# Altium PCB board _ordered.PcbDoc (part 2 of 2) (continued)
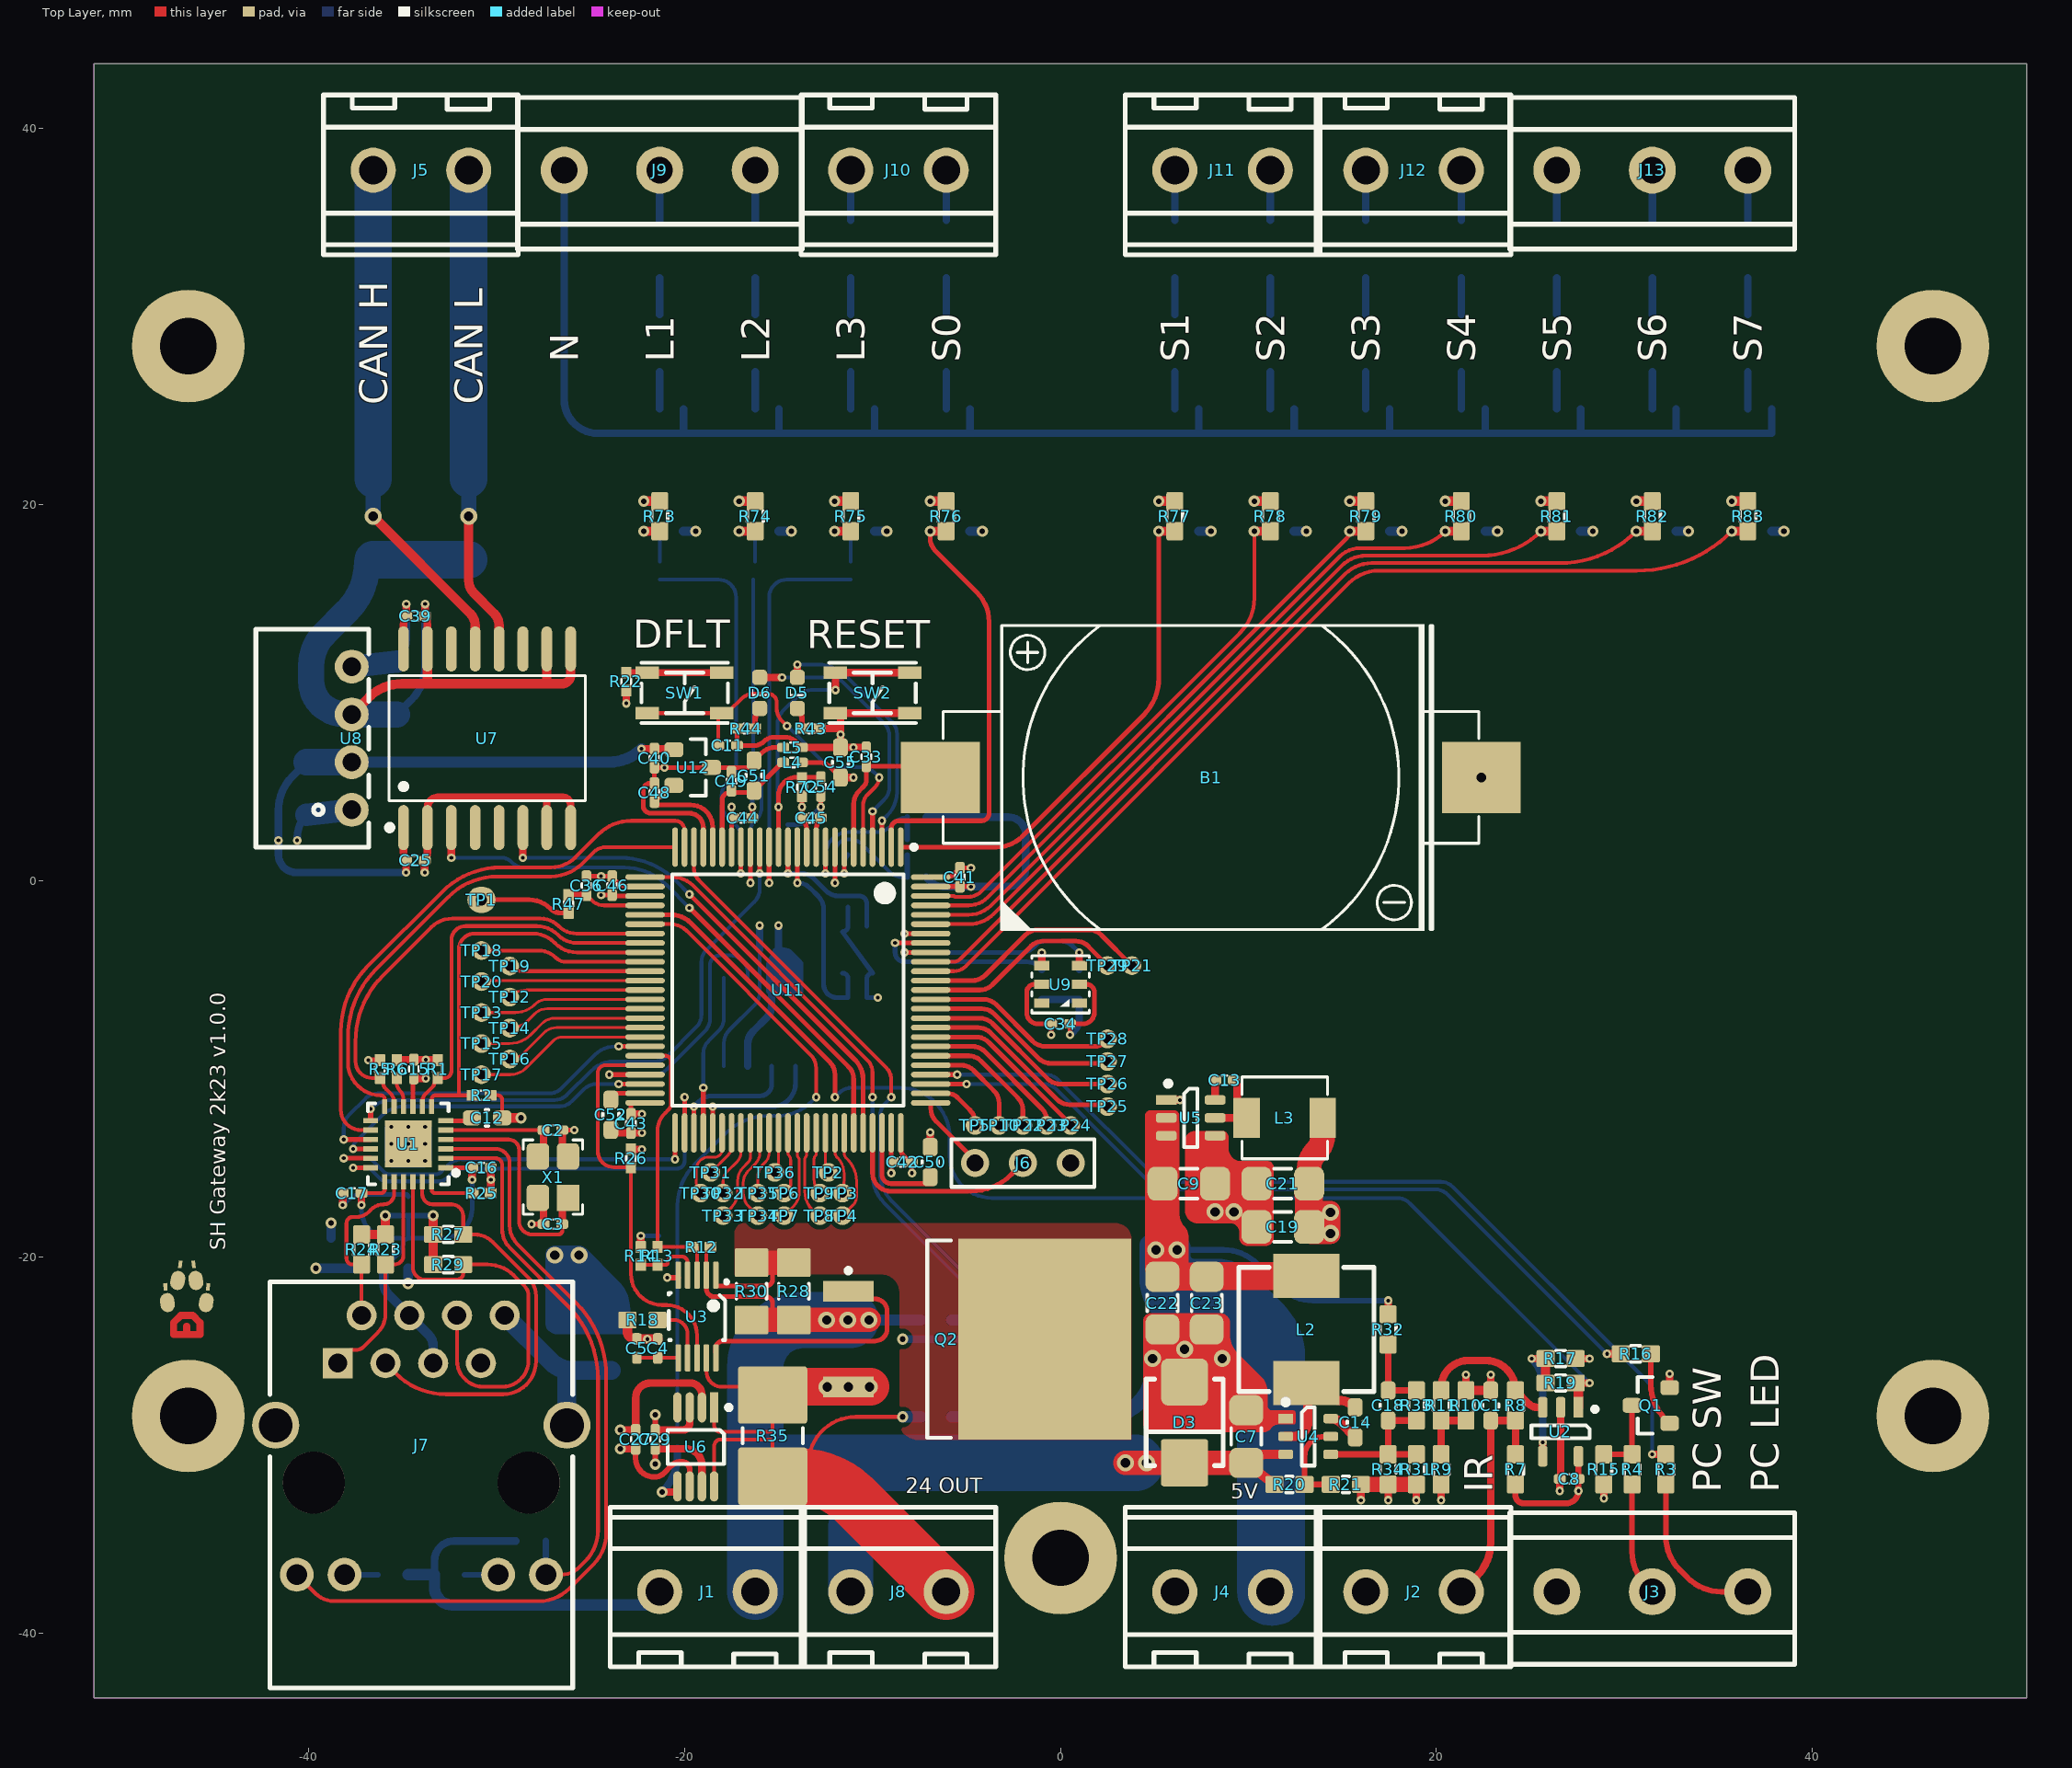
[diagram p0: Top Layer view]
## Nets (pads, with @x,y where several pads share a name; then routed paths per layer and width w, separated by ;. In a path a pad name is that pad's centre, name@x,y a point inside that pad or via, vN(x,y) a via of type N, cw(c..) or ccw(c..) an arc to the next point about the centre after c; other vN are vias at no path point) (continued)
  Top Layer w0.3: R16.2@31.4,-25.15 31.4,-26.791 ccw(c33.94,-26.791) Q1.1@32.144,-28.587
NetQ1_3: Q1.3 R4.1 R15.2 | length 4.1
  Top Layer w0.3: R15.2@28.9,-30.493 R4.1@30.4,-30.493 Q1.3@30.4,-27.893
NetQ2_1: Q2.1 U3.10 | length 13.8
  Top Layer w0.25: U3.10@-18.336,-25.364 -18.346,-24.868 cw(c-17.96,-24.853) -17.96,-24.466 -9.865,-24.466 ccw(c-9.865,-23.827) -9.226,-23.827 -9.226,-22.869 ccw(c-9.865,-22.869) -9.865,-22.23 -10.881,-22.23 cw(c-10.881,-21.824) Q2.1@-11.287,-21.824
NetQ2_2: Q2.2 R28.1 R30.1 U3.1 | length 6.9
  Top Layer w0.25: U3.1@-18.336,-20.964 -18.336,-21.539 -15.666,-21.539 ccw(c-15.666,-21.184) -15.312,-21.184 -15.312,-20.3
  Top Layer w1.3: R30.1@-16.437,-20.3 -15.312,-20.3 R28.1@-14.187,-20.3
NetR6_2: R6.2 U1.10 | length 1.6
  Top Layer w0.2: R6.2@-35.3,-10.476 -35.3,-10.745 ccw(c-34.702,-10.745) -35.125,-11.168 ; -35.125,-11.168 cw(c-35.547,-11.59) -34.95,-11.59 U1.10@-34.95,-12
NetR8_2: R8.2 R11.2 U2.3 | length 7.6
  Top Layer w0.4: R11.2@20.246,-27.093 20.246,-26.954 cw(c21.7,-26.954) 21.7,-25.5 22.607,-25.5 cw(c22.607,-27.093) R8.2@24.2,-27.093 24.927,-27.82 ccw(c25.345,-27.402) 25.345,-27.993 U2.3@25.65,-27.993
NetR9_2: R9.2 R10.1 R11.1 | length 3.1
  Top Layer w0.4: R9.2@20.246,-30.493 R11.1@20.246,-28.693 R10.1@21.564,-28.693
NetR13_2: R13.2 R14.2 U3.4 | length 3.6
  Top Layer w0.2: R14.2@-22.326,-20.416 R13.2@-21.437,-20.416 -21.016,-20.416 ccw(c-21.016,-20.3) -20.9,-20.3 cw(c-20.579,-20.3) -20.746,-20.026 cw(c-20.579,-20.3) -20.579,-19.979 -20.145,-19.979 cw(c-20.145,-20.288) -19.836,-20.288 U3.4@-19.836,-20.964
NetR17_1: R17.1 R19.1 U2.4 | length 7.4
  Top Layer w0.4: v1(25.065,-25.4) R17.1@25.8,-25.4 ; U2.4@25.65,-30.593 v1(25.65,-29.858)
  Top Layer w0.5: R19.1@25.8,-26.7 R17.1@25.8,-25.4
  Bottom Layer w0.4: v1(25.065,-25.4) cw(c23.652,-26.813) 25.65,-26.813 v1(25.65,-29.858)
NetR18_1: R18.1 U3.7 | length 3.3
  Top Layer w0.2: R18.1@-21.437,-23.348 -20.579,-23.348 cw(c-20.579,-24.091) -19.836,-24.091 U3.7@-19.836,-25.364
NetR20_2: R20.2 R21.1 U4.5 | length 4.9
  Top Layer w0.3: R21.1@14.377,-32.094 R20.2@12.977,-32.094 12.977,-30.61 cw(c14.044,-30.61) 14.044,-29.543 U4.5@14.377,-29.543
NetR22_2: R22.2 SW1.1 SW1.2 | length 5.1
  Top Layer w0.25: SW1.2@-18.025,11.075 SW1.2@-18.025,11.075
  Top Layer w0.35: R22.2@-23.1,11.076 SW1.2@-18.025,11.075
NetR25_2: R25.2 U1.24 | length 2.7
  Top Layer w0.2: U1.24@-33.45,-16 -33.45,-16.415 ccw(c-33.265,-16.415) -33.265,-16.6 R25.2@-31.276,-16.6
NetR46_1: R46.1 U6.5 | length 3.4
  Top Layer w0.4: v2(-21.189,-32.5) U6.5@-20.375,-32.5
  Bottom Layer w0.4: v2(-21.189,-32.5) ccw(c-23.153,-30.536) -20.375,-30.536 R46.1@-20.375,-30.176
NetR47_1: R47.1 TP1.1 | length 4.8
  Top Layer w0.25: TP1.1@-30.8,-1.002 -28.271,-1.002 cw(c-28.271,-2.628) -27.122,-1.478 -27.1,-1.5 ccw(c-26.612,-1.012) -26.612,-1.702 R47.1@-26.167,-1.702
NetR48_2: R48.2 R60.1 | length 2
  Bottom Layer w0.4: R60.1@-21.32,30.124 R48.2@-21.32,32.076
NetR49_2: R49.2 R61.1 | length 2
  Bottom Layer w0.4: R61.1@-16.24,30.124 R49.2@-16.24,32.076
NetR50_2: R50.2 R62.1 | length 2
  Bottom Layer w0.4: R62.1@-11.16,30.124 R50.2@-11.16,32.076
NetR51_2: R51.2 R63.1 | length 2
  Bottom Layer w0.4: R63.1@-6.08,30.124 R51.2@-6.08,32.076
NetR52_2: R52.2 R64.1 | length 2
  Bottom Layer w0.4: R64.1@6.08,30.124 R52.2@6.08,32.076
NetR53_2: R53.2 R65.1 | length 2
  Bottom Layer w0.4: R65.1@11.16,30.124 R53.2@11.16,32.076
NetR54_2: R54.2 R66.1 | length 2
  Bottom Layer w0.4: R66.1@16.24,30.124 R54.2@16.24,32.076
NetR55_2: R55.2 R67.1 | length 2
  Bottom Layer w0.4: R67.1@21.32,30.124 R55.2@21.32,32.076
NetR56_2: R56.2 R68.1 | length 2
  Bottom Layer w0.4: R68.1@26.4,30.124 R56.2@26.4,32.076
NetR57_2: R57.2 R69.1 | length 2
  Bottom Layer w0.4: R69.1@31.48,30.124 R57.2@31.48,32.076
NetR58_2: R58.2 R70.1 | length 2
  Bottom Layer w0.4: R70.1@36.56,30.124 R58.2@36.56,32.076
NetR60_2: R60.2 VD1.1 | length 2
  Bottom Layer w0.4: VD1.1@-21.32,25.105 R60.2@-21.32,27.076
NetR61_2: R61.2 VD2.1 | length 2
  Bottom Layer w0.4: VD2.1@-16.24,25.105 R61.2@-16.24,27.076
NetR62_2: R62.2 VD3.1 | length 2
  Bottom Layer w0.4: VD3.1@-11.16,25.105 R62.2@-11.16,27.076
NetR63_2: R63.2 VD4.1 | length 2
  Bottom Layer w0.4: VD4.1@-6.08,25.105 R63.2@-6.08,27.076
NetR64_2: R64.2 VD5.1 | length 2
  Bottom Layer w0.4: VD5.1@6.08,25.105 R64.2@6.08,27.076
NetR65_2: R65.2 VD6.1 | length 2
  Bottom Layer w0.4: VD6.1@11.16,25.105 R65.2@11.16,27.076
NetR66_2: R66.2 VD7.1 | length 2
  Bottom Layer w0.4: VD7.1@16.24,25.105 R66.2@16.24,27.076
NetR67_2: R67.2 VD8.1 | length 2
  Bottom Layer w0.4: VD8.1@21.32,25.105 R67.2@21.32,27.076
NetR68_2: R68.2 VD9.1 | length 2
  Bottom Layer w0.4: VD9.1@26.4,25.105 R68.2@26.4,27.076
NetR69_2: R69.2 VD10.1 | length 2
  Bottom Layer w0.4: VD10.1@31.48,25.105 R69.2@31.48,27.076
NetR70_2: R70.2 VD11.1 | length 2
  Bottom Layer w0.4: VD11.1@36.56,25.105 R70.2@36.56,27.076
NetR73_2: R73.2 R84.1 VD1.4 | length 3.3
  Top Layer w0.5: v2(-22.172,18.595) R73.2@-21.32,18.595
  Bottom Layer w0.2: R84.1@-21.32,16.976 VD1.4@-21.32,18.595
  Bottom Layer w0.5: v2(-22.172,18.595) VD1.4@-21.32,18.595
NetR74_2: R74.2 R85.1 VD2.4 | length 3.3
  Top Layer w0.5: v2(-17.092,18.595) R74.2@-16.24,18.595
  Bottom Layer w0.2: R85.1@-16.24,16.976 VD2.4@-16.24,18.595
  Bottom Layer w0.5: v2(-17.092,18.595) VD2.4@-16.24,18.595
NetR75_2: R75.2 R86.1 VD3.4 | length 3.3
  Top Layer w0.5: v2(-12.012,18.595) R75.2@-11.16,18.595
  Bottom Layer w0.2: R86.1@-11.16,16.976 VD3.4@-11.16,18.595
  Bottom Layer w0.5: v2(-12.012,18.595) VD3.4@-11.16,18.595
NetTP2_1: TP2.1 U11.67 | length 2.1
  Top Layer w0.15: U11.67@-12.5,-13.4 -12.5,-15.182 ccw(c-12.094,-15.182) TP2.1@-12.381,-15.469
NetTP3_1: TP3.1 U11.68 | length 3.4
  Top Layer w0.15: U11.68@-12,-13.4 -12,-14.418 ccw(c-11.594,-14.418) -11.881,-14.705 -11.863,-14.723 cw(c-12.724,-15.585) -11.506,-15.585 -11.506,-15.921 cw(c-12.434,-15.921) TP3.1@-11.778,-16.578
NetTP4_1: TP4.1 U11.69 | length 4.9
  Top Layer w0.15: TP4.1@-11.6,-17.8 -11.029,-17.229 ccw(c-11.46,-16.797) -10.85,-16.797 -10.85,-15.964 ccw(c-12.476,-15.964) -11.134,-15.046 ccw(c-12.476,-15.964) -11.326,-14.815 -11.409,-14.732 cw(c-11.188,-14.512) -11.5,-14.512 U11.69@-11.5,-13.4
NetTP5_1: TP5.1 U11.77 | length 3.3
  Top Layer w0.25: U11.77@-6.9,-11.3 -5.983,-11.3 cw(c-5.983,-11.983) -5.5,-11.5 -4.815,-12.185 cw(c-5.48,-12.849) -4.54,-12.849 TP5.1@-4.54,-13
NetTP6_1: TP6.1 U11.63 | length 3.1
  Top Layer w0.15: U11.63@-14.5,-13.4 -14.5,-14.481 ccw(c-14.337,-14.481) -14.452,-14.597 cw(c-14.695,-14.84) -14.352,-14.84 -14.352,-16.183 cw(c-14.758,-16.183) TP6.1@-14.47,-16.47
NetTP7_1: TP7.1 U11.64 | length 4.7
  Top Layer w0.15: TP7.1@-14.7,-17.8 -14.213,-17.313 ccw(c-14.969,-16.557) -13.9,-16.557 -13.9,-14.821 ccw(c-14.065,-14.821) -13.948,-14.705 cw(c-13.823,-14.58) -14,-14.58 U11.64@-14,-13.4
NetTP8_1: TP8.1 U11.65 | length 4.2
  Top Layer w0.15: U11.65@-13.5,-13.4 -13.5,-14.542 cw(c-13.691,-14.542) -13.556,-14.677 ccw(c-13.45,-14.783) -13.6,-14.783 -13.6,-16.519 ccw(c-12.198,-16.519) TP8.1@-13.189,-17.511
NetTP9_1: TP9.1 U11.66 | length 3.3
  Top Layer w0.15: U11.66@-13,-13.4 -13,-14.535 cw(c-13.101,-14.535) -13.03,-14.607 ccw(c-12.836,-14.8) -13.11,-14.8 -13.11,-15.853 ccw(c-12.053,-15.853) TP9.1@-12.8,-16.6
NetTP10_1: TP10.1 U11.80 | length 5.8
  Top Layer w0.25: U11.80@-6.9,-9.8 -5.289,-9.8 cw(c-5.289,-10.74) -4.625,-10.075 -3.545,-11.155 cw(c-4.21,-11.819) -3.27,-11.819 TP10.1@-3.27,-13
NetTP11_1: TP11.1 U11.7 | length 2.5
  Top Layer w0.25: v1(-11.5,0.4) U11.7@-11.5,1.8
  Bottom Layer w0.25: v1(-11.5,0.4) -11.5,0.917 cw(c-10.817,0.917) TP11.1@-11.3,1.4
NetTP12_1: TP12.1 U11.38 | length 7.3
  Top Layer w0.15: TP12.1@-29.3,-6.175 cw(c-28.395,-7.08) -28.395,-5.8 U11.38@-22.1,-5.8
NetTP13_1: TP13.1 U11.39 | length 8.9
  Top Layer w0.15: TP13.1@-30.8,-7 -29.001,-7 ccw(c-29.001,-5.55) -27.975,-6.575 cw(c-27.311,-7.24) -27.311,-6.3 U11.39@-22.1,-6.3
NetTP14_1: TP14.1 U11.40 | length 7.5
  Top Layer w0.15: TP14.1@-29.3,-7.825 ccw(c-29.3,-6.437) -28.318,-7.418 -27.975,-7.075 cw(c-27.311,-7.74) -27.311,-6.8 U11.40@-22.1,-6.8
NetTP15_1: TP15.1 U11.41 | length 9.1
  Top Layer w0.15: TP15.1@-30.8,-8.65 -29.323,-8.65 ccw(c-29.323,-7.024) -28.174,-8.174 -27.575,-7.575 cw(c-26.911,-8.24) -26.911,-7.3 U11.41@-22.1,-7.3
NetTP16_1: TP16.1 U11.42 | length 7.8
  Top Layer w0.15: TP16.1@-29.3,-9.475 ccw(c-29.3,-8.449) -28.574,-9.174 -27.475,-8.075 cw(c-26.811,-8.74) -26.811,-7.8 U11.42@-22.1,-7.8
NetTP17_1: TP17.1 U11.43 | length 9.4
  Top Layer w0.15: TP17.1@-30.8,-10.3 -29.256,-10.3 ccw(c-29.256,-9.153) -28.445,-9.964 -26.971,-8.491 cw(c-26.511,-8.951) -26.511,-8.3 ; -26.477,-8.3 U11.43@-22.1,-8.3
NetTP18_1: TP18.1 U11.35 | length 8.9
  Top Layer w0.2: TP18.1@-30.8,-3.7 -27.772,-3.7 cw(c-27.772,-5.022) -26.838,-4.087 ccw(c-26.324,-3.573) -26.324,-4.3 U11.35@-22.1,-4.3
NetTP19_1: TP19.1 U11.36 | length 7.3
  Top Layer w0.2: TP19.1@-29.3,-4.525 ccw(c-28.636,-3.861) -28.636,-4.8 U11.36@-22.1,-4.8
NetTP20_1: TP20.1 U11.37 | length 8.7
  Top Layer w0.15: TP20.1@-30.8,-5.35 cw(c-30.679,-5.471) -30.679,-5.3 U11.37@-22.1,-5.3
NetTP21_1: TP21.1 U11.89 | length 12.5
  Top Layer w0.25: U11.89@-6.9,-5.3 -4.689,-5.3 ccw(c-4.689,-4.36) -4.025,-5.025 -1.875,-2.875 cw(c-1.211,-3.54) -1.211,-2.6 1.511,-2.6 cw(c1.511,-3.54) 2.175,-2.875 TP21.1@3.8,-4.5
NetTP22_1: TP22.1 U11.81 | length 7.1
  Top Layer w0.25: U11.81@-6.9,-9.3 -4.889,-9.3 cw(c-4.889,-10.24) -4.225,-9.575 -2.275,-11.525 cw(c-2.94,-12.189) -2,-12.189 TP22.1@-2,-13
NetTP23_1: TP23.1 U11.82 | length 8.2
  Top Layer w0.25: U11.82@-6.9,-8.8 -4.689,-8.8 cw(c-4.689,-9.74) -4.025,-9.075 -1.005,-12.095 cw(c-1.67,-12.759) -0.73,-12.759 TP23.1@-0.73,-13
NetTP24_1: TP24.1 U11.83 | length 9.4
  Top Layer w0.25: U11.83@-6.9,-8.3 -4.489,-8.3 cw(c-4.489,-9.24) -3.825,-8.575 0.498,-12.898 cw(c0.395,-13) TP24.1@0.54,-13
NetTP25_1: TP25.1 U11.84 | length 11
  Top Layer w0.25: U11.84@-6.9,-7.8 -4.389,-7.8 cw(c-4.389,-8.74) -3.725,-8.075 -0.175,-11.625 ccw(c0.489,-10.96) 0.489,-11.9 TP25.1@2.5,-11.9
NetTP26_1: TP26.1 U11.85 | length 10.8
  Top Layer w0.25: U11.85@-6.9,-7.3 -4.289,-7.3 cw(c-4.289,-8.24) -3.625,-7.575 -0.675,-10.525 ; -0.675,-10.525 ccw(c-0.011,-9.86) -0.011,-10.8 TP26.1@2.5,-10.8
NetTP27_1: TP27.1 U11.86 | length 10.5
  Top Layer w0.25: U11.86@-6.9,-6.8 -4.189,-6.8 cw(c-4.189,-7.74) -3.525,-7.075 -1.175,-9.425 ccw(c-0.511,-8.76) -0.511,-9.7 TP27.1@2.5,-9.7
NetTP28_1: TP28.1 U11.87 | length 10.4
  Top Layer w0.25: U11.87@-6.9,-6.3 -4.089,-6.3 cw(c-4.089,-7.24) -3.425,-6.575 -1.475,-8.525 ccw(c-0.811,-7.86) -0.811,-8.8 1.811,-8.8 ccw(c1.811,-7.86) 2.475,-8.525 TP28.1@2.5,-8.5
NetTP29_1: TP29.1 U11.88 | length 10.9
  Top Layer w0.25: U11.88@-6.9,-5.8 -4.289,-5.8 ccw(c-4.289,-4.86) -3.625,-5.525 -1.575,-3.475 ; -1.575,-3.475 cw(c-0.911,-4.14) -0.911,-3.2 0.811,-3.2 cw(c0.811,-4.14) 1.475,-3.475 TP29.1@2.5,-4.5
NetTP30_1: TP30.1 U11.56 | length 4.2
  Top Layer w0.15: TP30.1@-19.15,-16.6 cw(c-18.607,-16.057) -19.375,-16.057 -19.375,-15.35 cw(c-18.718,-15.35) -18.718,-14.693 -18.401,-14.693 ccw(c-18.401,-14.292) -18,-14.292 U11.56@-18,-13.4
NetTP31_1: TP31.1 U11.57 | length 2.5
  Top Layer w0.15: TP31.1@-18.6,-15.5 -17.683,-14.583 ccw(c-18.126,-14.141) -17.5,-14.143 ccw(c-18.126,-14.141) -17.5,-14.141 U11.57@-17.5,-13.4
NetTP32_1: TP32.1 U11.58 | length 3.5
  Top Layer w0.15: TP32.1@-17.95,-16.6 -17.95,-15.993 cw(c-17.182,-15.993) -17.725,-15.45 -17.194,-14.919 ccw(c-17.664,-14.45) -17,-14.45 U11.58@-17,-13.4
NetTP33_1: TP33.1 U11.59 | length 5.3
  Top Layer w0.15: TP33.1@-17.661,-17.511 TP33.1@-17.95,-17.8 -17.49,-17.34 ccw(c-18.25,-16.58) -17.175,-16.58 -17.175,-15.942 cw(c-16.167,-15.942) -16.88,-15.23 -16.625,-14.975 ccw(c-16.927,-14.673) -16.5,-14.673 U11.59@-16.5,-13.4
NetTP34_1: TP34.1 U11.60 | length 5
  Top Layer w0.15: -16.238,-15.049 -16.618,-15.429 ccw(c-15.997,-16.05) -16.875,-16.05 -16.875,-16.58 ccw(c-15.8,-16.58) -16.56,-17.34 TP34.1@-16.1,-17.8 ; -16.237,-15.048 ccw(c-16.812,-14.475) -16,-14.475 U11.60@-16,-13.4
NetTP35_1: TP35.1 U11.61 | length 3.8
  Top Layer w0.15: TP35.1@-16.3,-16.232 ccw(c-15.894,-16.232) -16.181,-16.519 TP35.1@-16.1,-16.6 -16.1,-15.716 cw(c-15.215,-15.717) -15.841,-15.091 -15.7,-14.95 ccw(c-16.183,-14.467) -15.5,-14.467 U11.61@-15.5,-13.4
NetTP36_1: TP36.1 U11.62 | length 2.5
  Top Layer w0.15: TP36.1@-15.219,-15.469 ccw(c-15.506,-15.182) TP36.1@-15.1,-15.182 ; TP36.1@-15.2,-15.5 ccw(c-15.683,-15.017) -15,-15.017 U11.62@-15,-13.4
PC_LED: R3.1 U11.79 | length 49.4
  Top Layer w0.25: U11.79@-6.9,-10.3 v1(-5.5,-10.3)
  Top Layer w0.4: v1(31.465,-30.493) R3.1@32.2,-30.493
  Bottom Layer w0.2: v1(-5.5,-10.3) -0.789,-10.3 cw(c-0.789,-11.24) -0.125,-10.575 5.025,-15.725 ccw(c5.689,-15.06) 5.689,-16 20.211,-16 cw(c20.211,-16.94) 20.875,-16.275 31.19,-26.59 cw(c30.525,-27.254) 31.465,-27.254 v1(31.465,-30.493)
PC_ON: R16.1 U11.78 | length 42.5
  Top Layer w0.25: U11.78@-6.9,-10.8 v1(-5,-10.8)
  Top Layer w0.4: v1(29.065,-25.15) R16.1@29.8,-25.15
  Bottom Layer w0.2: v1(-5,-10.8) -0.889,-10.8 cw(c-0.889,-11.74) -0.225,-11.075 4.825,-16.125 ccw(c5.489,-15.46) 5.489,-16.4 19.925,-16.4 cw(c19.925,-17.34) 20.59,-16.675 v1(29.065,-25.15)
RST_MCU: C54.2 R72.2 SW2.1 SW2.2 U11.14 | length 18.8
  Top Layer w0.25: U11.14@-15,1.8 v1(-15,3.935) -15,4.544 cw(c-14.025,4.544) -14.025,5.519 C54.2@-12.75,5.519
  Top Layer w0.4: v1(-11.975,10.149) SW2.1@-11.975,11.075 SW2.2@-8.025,11.075
  Bottom Layer w0.2: v1(-15,3.935) cw(c-14.882,4.053) -15.049,4.053 -15.049,8.363 cw(c-14.113,8.363) -14.775,9.025 -13.926,9.874 cw(c-13.262,9.209) -13.262,10.149 v1(-11.975,10.149)
S-3: R76.2 U11.2 VD4.4 | length 24.5
  Top Layer w0.25: U11.2@-9,1.8 -9,2.8 cw(c-8.6,2.8) -8.6,3.2 -4.2,3.2 ccw(c-4.2,3.6) -3.8,3.6 -3.8,13.77 ccw(c-6.044,13.77) -4.457,15.357 -6.656,17.556 ; v2(-6.932,18.595) -6.932,18.221 ccw(c-5.992,18.221) -6.657,17.557
  Top Layer w0.5: v2(-6.932,18.595) R76.2@-6.08,18.595
  Bottom Layer w0.5: v2(-6.932,18.595) VD4.4@-6.08,18.595
S-4: R77.2 U11.1 VD5.4 | length 27.4
  Top Layer w0.25: U11.1@-8.5,1.8 -3.403,1.8 ccw(c-3.403,3.739) -2.032,2.368 4.413,8.813 ccw(c2.445,10.781) 5.228,10.781 v2(5.228,18.595)
  Top Layer w0.5: v2(5.228,18.595) R77.2@6.08,18.595
  Bottom Layer w0.5: v2(5.228,18.595) VD5.4@6.08,18.595
S-5: R78.2 U11.98 VD6.4 | length 29.5
  Top Layer w0.2: U11.98@-6.9,-0.8 -5.734,-0.8 cw(c-5.734,-0.971) -5.613,-0.85 -4.939,-0.85 ccw(c-4.939,0.222) -4.181,-0.536 9.545,13.191 ccw(c7.702,15.033) 10.308,15.033 v2(10.308,18.595)
  Top Layer w0.5: v2(10.308,18.595) R78.2@11.16,18.595
  Bottom Layer w0.5: v2(10.308,18.595) VD6.4@11.16,18.595
S-6: R79.2 U11.97 VD7.4 | length 32.3
  Top Layer w0.2: U11.97@-6.9,-1.3 -4.906,-1.3 ccw(c-4.906,0.162) -3.872,-0.872 15.242,18.242 ccw(c14.89,18.595) v2(15.388,18.595)
  Top Layer w0.5: v2(15.388,18.595) R79.2@16.24,18.595
  Bottom Layer w0.5: v2(15.388,18.595) VD7.4@16.24,18.595
S-7: R80.2 U11.96 VD8.4 | length 37.2
  Top Layer w0.2: U11.96@-6.9,-1.8 -4.894,-1.8 ccw(c-4.894,-0.124) -3.709,-1.309 14.84,17.24 cw(c15.95,16.13) 15.95,17.7 18.308,17.7 ccw(c18.308,20.755) v2(20.468,18.595)
  Top Layer w0.5: v2(20.468,18.595) R80.2@21.32,18.595
  Bottom Layer w0.5: v2(20.468,18.595) VD8.4@21.32,18.595
S-8: R81.2 U11.95 VD9.4 | length 42.5
  Top Layer w0.2: U11.95@-6.9,-2.3 -4.866,-2.3 ccw(c-4.866,-0.451) -3.558,-1.758 14.961,16.761 cw(c16.262,15.46) 16.262,17.3 22.422,17.3 ccw(c22.422,21.721) v2(25.548,18.595)
  Top Layer w0.5: v2(25.548,18.595) R81.2@26.4,18.595
  Bottom Layer w0.5: v2(25.548,18.595) VD9.4@26.4,18.595
S-9: R82.2 U11.91 VD10.4 | length 48.4
  Top Layer w0.2: U11.91@-6.9,-4.3 -5.689,-4.3 ccw(c-5.689,-3.789) -5.328,-4.15 15.142,16.319 cw(c16.544,14.916) 16.544,16.9 26.536,16.9 ccw(c26.537,22.687) v2(30.628,18.595)
  Top Layer w0.5: v2(30.628,18.595) R82.2@31.48,18.595
  Bottom Layer w0.5: v2(30.628,18.595) VD10.4@31.48,18.595
S-10: R83.2 U11.90 VD11.4 | length 53.6
  Top Layer w0.2: U11.90@-6.9,-4.8 -5.689,-4.8 ccw(c-5.689,-3.86) -5.025,-4.525 15.334,15.834 cw(c16.942,14.226) 16.942,16.5 30.651,16.5 ccw(c30.651,23.653) v2(35.708,18.595)
  Top Layer w0.5: v2(35.708,18.595) R83.2@36.56,18.595
  Bottom Layer w0.5: v2(35.708,18.595) VD11.4@36.56,18.595
SCL: R59.1 U9.3 U11.92 | length 12.7
  Top Layer w0.25: v1(-8.3,-3.8) U11.92@-6.9,-3.8
  Top Layer w0.4: U9.3@1,-4.5 v1(1,-3.815)
  Bottom Layer w0.25: v1(-8.3,-3.8) -2.089,-3.8 ccw(c-2.089,-2.86) -1.425,-3.525 -1.241,-3.341 cw(c-0.9,-3.683) -0.9,-3.2 -0.005,-3.2 cw(c-0.005,-4.14) 0.66,-3.475 v1(1,-3.815)
  Bottom Layer w0.4: R59.1@1,-4.7 v1(1,-3.815)
SDA: R71.1 U9.4 U11.93 | length 12.2
  Top Layer w0.25: v1(-8.8,-3.3) U11.93@-6.9,-3.3
  Top Layer w0.4: U9.4@-1,-4.5 v1(-1,-3.815)
  Bottom Layer w0.25: v1(-8.8,-3.3) -8.8,-3.8 ccw(c-8.3,-3.8) -8.3,-4.3 -1.789,-4.3 cw(c-1.789,-5.24) -1.125,-4.575 R71.1@-1,-4.7
  Bottom Layer w0.4: R71.1@-1,-4.7 v1(-1,-3.815)
SWCLK: J6.1 U11.76 | length 4.1
  Top Layer w0.25: U11.76@-6.9,-11.8 -6.9,-12.111 ccw(c-5.96,-12.111) -6.625,-12.775 -4.639,-14.761 cw(c-4.878,-15) J6.1@-4.54,-15
SWDIO: J6.2 U11.72 | length 11.2
  Top Layer w0.25: U11.72@-10,-13.4 -10,-15.528 ccw(c-9.028,-15.528) -9.028,-16.5 -4.771,-16.5 ccw(c-4.771,-13.432) -2.602,-15.602 J6.2@-2,-15
Vi_SNS: C24.2 R38.2 R39.1 U11.26 | length 33.3
  Top Layer w0.2: U11.26@-22.1,0.2 -20.627,0.2 cw(c-20.627,-1.313) -19.557,-0.243 -10.275,-9.525 cw(c-10.94,-10.189) -10,-10.189 v1(-10,-11.5)
  Bottom Layer w0.2: v1(-10,-11.5) -10,-15.606 ccw(c-7.842,-15.606) -9.368,-17.132 C24.2@-4.4,-22.1
  Bottom Layer w0.6: R38.2@-5.8,-23.348 R39.1@-4.4,-23.348 C24.2@-4.4,-22.1
Vo_SNS: C26.2 R41.2 R42.1 U11.23 | length 41.6
  Top Layer w0.2: U11.23@-19.5,1.8 -19.5,0.689 ccw(c-18.56,0.689) -19.225,0.025 -9.275,-9.925 ; -9.275,-9.925 cw(c-9.94,-10.589) -9,-10.589 v1(-9,-11.5)
  Bottom Layer w0.2: v1(-9,-11.5) -9.325,-11.825 ccw(c-8.66,-12.489) -9.6,-12.489 -9.6,-15.506 ccw(c-7.442,-15.506) -8.968,-17.032 -4.875,-21.125 ccw(c-4.211,-20.46) -4.211,-21.4 -2.4,-21.4 cw(c-2.4,-21.9) -1.9,-21.9 -1.9,-23.611 cw(c-2.84,-23.611) -2.175,-24.275 -4.125,-26.225 ccw(c-3.46,-26.889) -4.4,-26.886 ccw(c-3.46,-26.889) -4.4,-26.889 C26.2@-4.4,-27.2
  Bottom Layer w0.6: R41.2@-5.8,-28.5 R42.1@-4.4,-28.5 C26.2@-4.4,-27.2
Vref: C29.2 C48.2 U6.7 U11.21 U12.2 | length 52.1
  Top Layer w0.25: C48.2@-21.6,4.04 -19.672,4.04 cw(c-19.672,2.868) -18.5,2.868 U11.21@-18.5,1.8 ; C48.2@-21.6,4.2 v1(-21.214,4.586) -20.827,4.973 cw(c-20.562,4.707) U12.2@-20.562,5.083
  Top Layer w0.3: v2(-21.559,-31.014) C29.2@-21.559,-30.2
  Top Layer w0.4: C29.2@-21.559,-30.2 -19.94,-30.2 cw(c-19.94,-31.065) -19.075,-31.065 U6.7@-19.075,-32.2
  Mid Layer 2 w0.5: v2(-21.559,-31.014) -20.336,-29.791 -20.336,-22.714 -26.568,-16.482 -26.568,-0.768 v1(-21.214,4.586)
pads on no net: J7. J7.7 J7.SH1 U6.4 U7.4 U7.5 U7.11 U7.14 U9.1 U9.6
copper on no net: | length 4.8
  Top Layer w0.381: -46.475,-24.125 -46.475,-23.68 ; -47.174,-24.125 -47.174,-23.49 -46.793,-23.109 -46.158,-23.109 -45.777,-23.49 -45.777,-24.125 -47.174,-24.125

## Polygon pours and split planes (outlines as drawn)
3V3 on Mid Layer 2 "NONET_L02_P-001" (solid, remove dead copper, pour order 3): -39,-33.8 -39,-48.9 -54.4,-48.9 -54.4,7.7 -54.4,49.2 54.4,49.2 54.4,-33.8
5V on Mid Layer 2 "NONET_L02_P-001" (solid, remove dead copper, pour order 2): 4.1,-19.86 ccw(c5.04,-19.86) 5.04,-20.8 6.16,-20.8 ccw(c6.16,-19.86) 7.1,-19.86 7.1,-13.689 ccw(c6.16,-13.689) 6.825,-13.025 5.875,-12.075 cw(c6.54,-11.411) 5.6,-11.411 5.6,3.211 ccw(c4.66,3.211) 5.325,3.875 -5.625,14.825 ccw(c-6.289,14.16) -6.289,15.1 -15.411,15.1 ccw(c-15.411,14.16) -16.075,14.825 -22.925,7.975 ccw(c-22.26,7.311) -23.2,7.311 -23.2,6.9 ccw(c-22.5,6.9) -22.5,6.2 -21.889,6.2 ccw(c-21.889,7.14) -21.225,6.475 -14.875,12.825 cw(c-14.211,12.16) -14.211,13.1 -6.589,13.1 cw(c-6.589,12.16) -5.925,12.825 4.136,2.764 cw(c3.472,2.099) 4.411,2.099 4.411,-18.596 cw(c4.045,-18.596) 4.304,-18.855 ccw(c4.797,-19.348) 4.1,-19.348
GND on Mid Layer 2 "NONET_L02_P-001" (solid, remove dead copper, pour order 4): -24.7,-34.5 53,-34.5 53,-45.8 -24.7,-45.8
NetQ2_2 on Top Layer "NONET_L02_P-001" (solid, remove dead copper, pour order 0): -14.548,-20.93 -17.326,-20.93 -17.326,-18.709 cw(c-16.824,-18.709) -16.824,-18.208 2.957,-18.208 cw(c2.957,-19.014) 3.763,-19.014 3.763,-29.714 -7.624,-29.714 cw(c-7.624,-28.774) -8.564,-28.774 -8.564,-21.876 ccw(c-9.504,-21.876) -9.504,-20.936 -14.551,-20.936
GND on Mid Layer 1 (split plane): 50.89,-42.94 -24.6,-42.94 -24.6,-27 -43.9,-27 -43.9,-42.94 -50.89,-42.94 -50.89,7.2 -25.347,7.2 -25.166,7.236 -24.995,7.307 -24.841,7.41 -24.71,7.541 -24.607,7.695 -24.536,7.866 -24.5,8.047 -24.5,8.14 -24.5,20.16 -24.495,20.252 -24.46,20.433 -24.389,20.603 -24.287,20.756 -24.156,20.887 -24.003,20.989 -23.833,21.06 -23.652,21.095 -23.56,21.1 50.89,21.1

## Keep-outs
Keep-Out Layer:
  the board outline again, w0

## Other copper
Top Layer:
  region net GND: 9,-24.1 9,-23.5 ccw(c8.5,-23.5) 8.5,-23 4.8,-23 ccw(c4.8,-23.4) 4.4,-23.4 4.4,-28.9 ccw(c4.8,-28.9) 4.8,-29.3 10.859,-29.3 ccw(c10.859,-28.959) 11.1,-29.2 11.259,-29.041 cw(c11.6,-29.383) 11.6,-28.9 12.383,-28.9 ccw(c12.383,-28.792) 12.491,-28.792 12.491,-28.283 ccw(c12.373,-28.283) 12.373,-28.165 11.265,-28.165 cw(c11.265,-27.9) 11,-27.9 11,-27.124 ccw(c9.976,-27.124) 10.7,-26.4 9.424,-25.124 cw(c10.449,-24.1)
  region net GND: 7.125,-13.3 ccw(c7.125,-13.8) 6.625,-13.8 6.625,-17.525 ccw(c7.3,-17.525) 7.3,-18.2 9.025,-18.2 cw(c9.025,-18.7) 9.525,-18.7 9.525,-19 ccw(c9.925,-19) 9.925,-19.4 10.925,-19.4 ccw(c10.925,-19) 11.325,-19 11.325,-15.2 ccw(c11.025,-15.2) 11.025,-14.9 9.625,-14.9 cw(c9.625,-14.2) 8.925,-14.2 8.925,-13.6 ccw(c8.625,-13.6) 8.625,-13.3
  region net 3V3: 13.228,-19.292 14.408,-19.292 ccw(c14.408,-18.825) 14.875,-18.825 14.875,-17.525 ccw(c14.375,-17.525) 14.375,-17.025 12.825,-17.025 12.825,-18.4
  region net 5V: 6.03,-12.2 cw(c6.03,-12.497) 6.327,-12.497 6.327,-17.74 ccw(c7.26,-17.74) 6.6,-18.4 cw(c6.117,-18.883) 6.8,-18.883 6.8,-21.45 5.425,-21.45 cw(c5.425,-20.526) 4.5,-20.526 4.5,-12.5 cw(c4.8,-12.5) 4.8,-12.2
Mid Layer 2:
  pour cut-out: -43.9,-44 -43.9,-27.94 cw(c-42.96,-27.94) -42.96,-27 -25.54,-27 cw(c-25.54,-27.94) -24.6,-27.94 -24.6,-44
  pour cut-out: -23.56,21.1 ccw(c-23.56,20.16) -24.5,20.16 -24.5,10.499 cw(c-27.761,10.499) -27.761,7.238 -52.1,7.238 -52.1,43.6 -29.5,43.5 51.4,43.613 51.4,21.1
Bottom Layer:
  region net 3V3: -15.431,-3.97 ccw(c-14.91,-4.491) -15.646,-4.491 -15.646,-5.856 ccw(c-15.432,-5.856) -15.432,-6.071 -13.894,-6.071 ccw(c-13.894,-5.867) -13.691,-5.867 -13.691,-4.426 ccw(c-13.951,-4.426) -13.767,-4.242 -14.28,-3.728 ccw(c-14.757,-4.205) -14.757,-3.531 -15.046,-3.531 ccw(c-15.046,-3.877) -15.291,-3.632 cw(c-15.769,-3.632)
  region net GND: -35.543,-12.737 ccw(c-35.543,-13.144) -35.95,-13.144 -35.95,-14.831 ccw(c-35.543,-14.831) -35.543,-15.237 -33.856,-15.237 ccw(c-33.856,-14.831) -33.45,-14.831 -33.45,-13.144 ccw(c-33.856,-13.144) -33.856,-12.737
  region net 5V: 11.858,-22.542 10.159,-20.844 ccw(c8.363,-22.64) 8.363,-20.1 7.1,-20.1 cw(c7.1,-19.9) 6.9,-19.9 6.9,-19.5 ccw(c6.2,-19.5) 6.2,-18.8 4.8,-18.8 ccw(c4.8,-19.4) 4.2,-19.4 4.2,-21.1 ccw(c7.3,-21.1) 7.3,-24.2 8.1,-24.2 cw(c8.1,-25.5) 9.4,-25.5 9.4,-37.8 ccw(c11.2,-37.8) 11.2,-39.6 11.3,-39.6 ccw(c11.3,-37.9) 13,-37.9 13,-25.3 ccw(c9.1,-25.3)
  region net GND: -25.246,-19.546 -23.541,-21.251 cw(c-25.09,-22.8) -22.9,-22.8 -22.9,-23.7 cw(c-23.3,-23.7) -23.3,-24.1 -26.8,-24.1 cw(c-26.8,-23.5) -27.4,-23.5 -27.4,-19.9 cw(c-26.9,-19.9) -26.9,-19.4 -25.6,-19.4 cw(c-25.6,-19.9)
Mid Layer 1 (plane layer: these items are gaps in the copper):
  rectangle: -19.239,-18.425 -11.025,-14.95
  rectangle: -43.9,-44 -24.6,-27
  region: -23.56,21.1 ccw(c-23.56,20.16) -24.5,20.16 -24.5,8.14 cw(c-25.44,8.14) -25.44,7.2 -52,7.2 -52,43.5 -29.7,43.5 51.4,43.613 51.4,21.1

## Silkscreen, mask and mechanical layers (free items; w line width, h text height)
Top Overlay:
  text "N" at -25.65,27.579 h1.5 r90
  text "L1" at -20.57,27.579 h1.5 r90
  text "L2" at -15.49,27.579 h1.5 r90
  text "L3" at -10.41,27.579 h1.5 r90
  text "S0" at -5.33,27.579 h1.5 r90
  text "S1" at 6.83,27.579 h1.5 r90
  text "S2" at 11.91,27.579 h1.5 r90
  text "S3" at 16.99,27.579 h1.5 r90
  text "S4" at 22.07,27.579 h1.5 r90
  text "S5" at 27.15,27.579 h1.5 r90
  text "S6" at 32.23,27.579 h1.5 r90
  text "S7" at 37.31,27.579 h1.5 r90
  text "CAN L" at -30.73,25.33 h1.5 r90
  text "CAN H" at -35.81,25.3 h1.5 r90
  text "DFLT" at -22.749,12.385 h1.5
  text "RESET" at -13.499,12.384 h1.5
  text "SH Gateway 2k23 v1.0.0" at -44.425,-19.65 h0.8 r90
  text "IR" at 22.97,-32.529 h1.5 r90
  text "PC SW" at 35.13,-32.529 h1.5 r90
  text "PC LED" at 38.21,-32.529 h1.5 r90
  text "24 OUT" at -8.25,-32.55 h0.8
  text "5V" at 9.05,-32.85 h0.8